# Altium PCB P22296-1-DES-1.2.PcbDoc (part 3 of 5)
Units mm, origin at the board's own origin, x right, y up, seen from the top; angles counter-clockwise.
Board outline 77.01 x 108 mm, 6 copper layers (Top Layer, Layer 1, Layer 2, Layer 3, Layer 4, Bottom Layer), stack 1.821 mm thick; 445 components, 260 nets, 1371 pads, 965 vias.
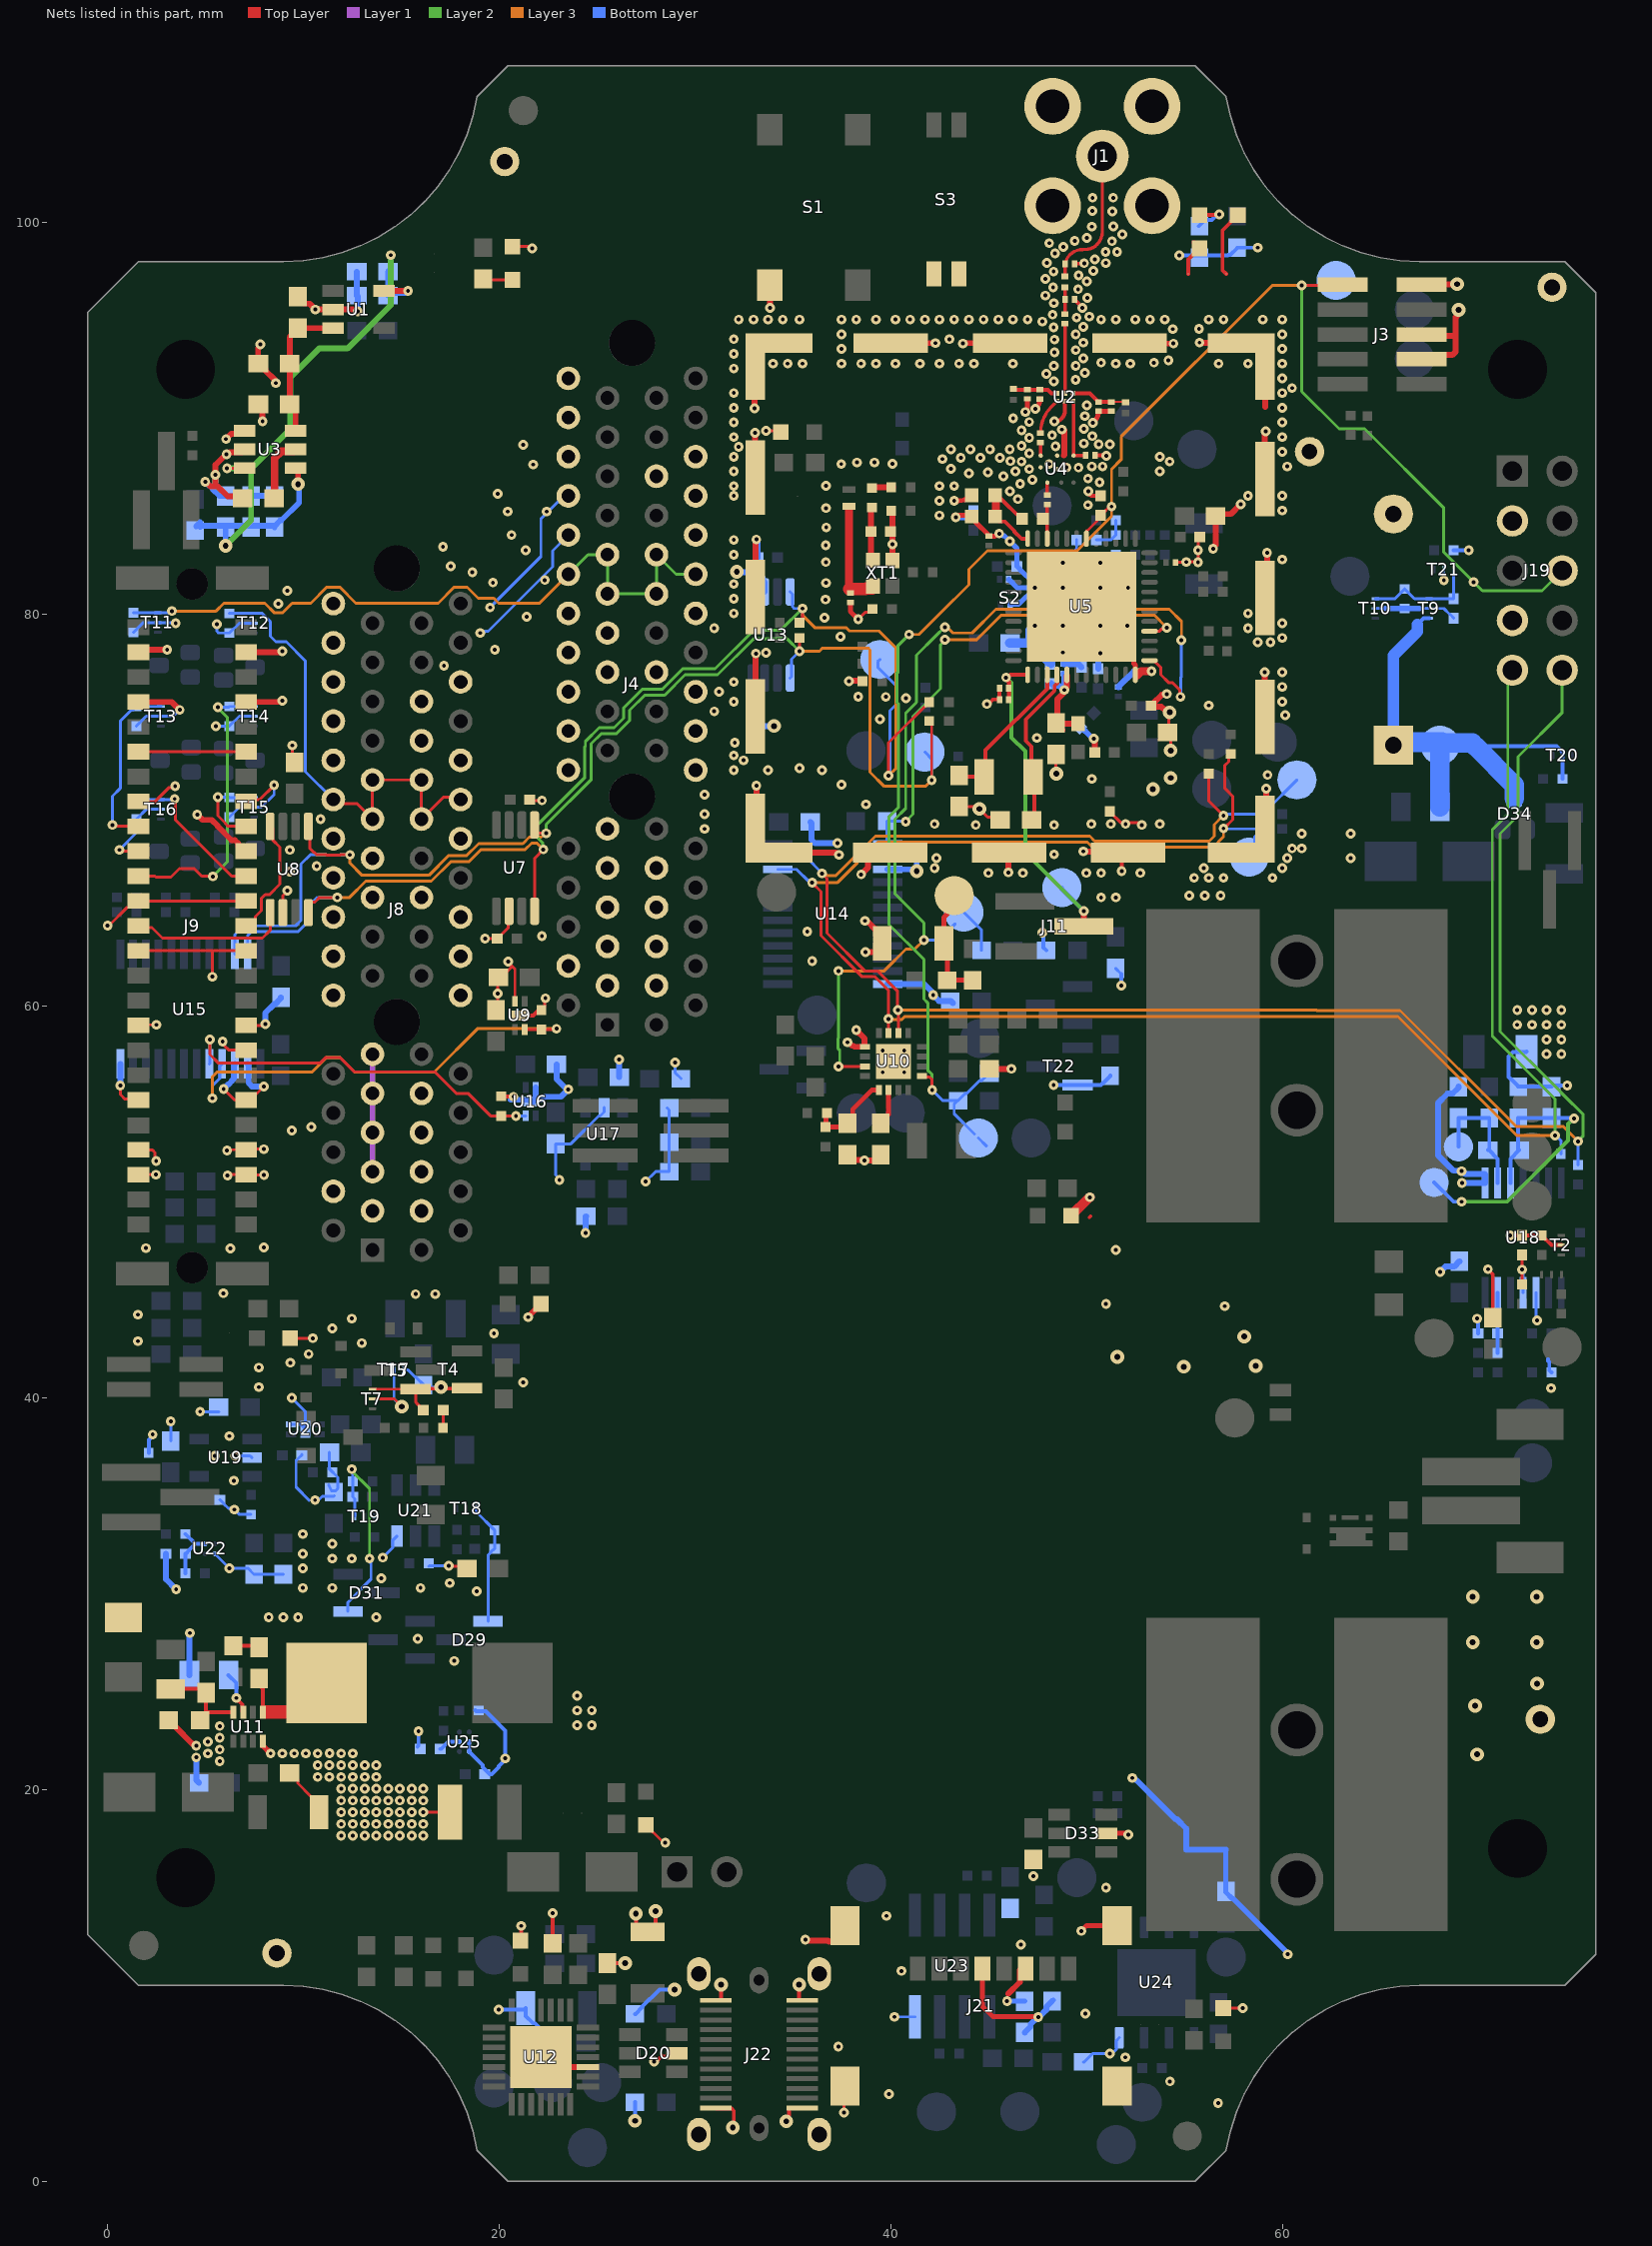
[diagram p7: the nets of this part, all layers, seen from the top]

## Via types
v1: diameter 0.5, hole 0.2, Top Layer to Bottom Layer, tented both sides, 876 vias
v2: diameter 0.7/0.7/0.7/0.7/0.7/0.7 (per signal layer), hole 0.3, Top Layer to Bottom Layer, tented bottom, 83 vias
v3: diameter 0.5, hole 0.2, Top Layer to Bottom Layer, 4 vias
v4: diameter 1, hole 0.5, Top Layer to Bottom Layer, tented bottom, 2 vias

## Nets (pads, with @x,y where several pads share a name; then routed paths per layer and width w, separated by ;. In a path a pad name is that pad's centre, name@x,y a point inside that pad or via, vN(x,y) a via of type N, cw(c..) or ccw(c..) an arc to the next point about the centre after c; other vN are vias at no path point) (continued)
GND: C1.1 C2.1 C4.1 C5.1 C6.1 C7.1 C8.1 C9.1 C10.1 C12.1 C13.- C15.1 C16.1 C17.1 C19.1 C20.1 C21.1 C22.1 C23.1 C24.1 C25.1 C26.1 C27.1 C28.1 C29.1 C30.1 C31.1 C32.1 C33.1 C34.1 C35.1 C36.1 C37.1 C38.1 C39.1 C40.1 C41.1 C42.1 C43.1 C44.1 C45.1 C46.1 C47.1 C50.1 C51.1 C52.1 C53.1 C54.1 C55.1 C56.1 C57.1 C58.1 C59.1 C60.1 C61.1 C62.1 C63.1 C64.1 C66.1 C67.1 C68.1 C69.1 C70.1 C71.1 C72.1 C73.1 C74.1 C75.1 C76.1 C77.1 C78.1 C79.1 C80.1 C81.1 C82.1 C83.1 C85.1 C86.1 C87.1 C88.1 C89.1 C90.1 C91.1 C93.1 C95.1 C96.1 C97.1 C98.1 C99.1 C100.1 C101.1 C102.1 C103.2 C104.1 D1.C D4.C D5.C D6.C D9.C D14.C D16.C D19.C D20.2 D33.2 H1.0 H4.0 H7.0 H8.0 H9.0 J1.2 J1.3 J1.4 J1.5 J3.3 J3.5 J3.9 J4.A3 J4.A4 J4.A5 J4.A7 J4.A9 J4.A11 J4.A12 J4.A14 J4.A16 J4.A17 J4.A18 J4.A19 J4.A20 J4.A24 J4.A26 J4.A28 J4.A30 J4.A32 J4.B3 J4.B5 J4.B7 J4.B9 J4.B12 J4.B14 J4.B16 J4.B17 J4.B20 J4.B24 J4.B26 J4.B27 J4.B28 J8.A3 J8.A4 J8.A5 J8.A7 J8.A9 J8.A11 J8.A12 J8.A14 J8.A16 J8.A17 J8.A18 J8.A19 J8.A20 J8.A24 J8.A26 J8.A28 J8.A30 J8.A32 J8.B3 J8.B5 J8.B7 J8.B9 J8.B12 J8.B14 J8.B16 J8.B17 J8.B20 J8.B24 J8.B25 J8.B27 J8.B28 J9.A3 J9.A4 J9.A6 J9.A9 J9.A12 J9.A14 J9.A16 J9.A18 J9.A20 J9.A22 J9.A24 J9.B3 J9.B4 J9.B6 J9.B8 J9.B9 J9.B12 J9.B14 J9.B16 J9.B18 J9.B20 J9.B22 J9.B24 J19.3 J19.7 J21.6 J21.SHLD J22.A1 J22.A12 J22.B1 J22.B12 J22.S R6.2 R9.1 R19.1 R22.1 R27.1 R28.1 R32.1 R38.1 R41.1 R43.1 R49.1 R50.1 R57.1 R59.1 R60.1 R63.1 R64.1 R68.1 R69.1 R79.1 R81.1 R82.1 R85.1 R86.1 R89.1 R90.1 R93.1 R100.1 R105.1 R107.1 R108.1 R110.1 R111.1 R113.1 R115.1 R124.1 R130.1 R131.1 R143.1 R153.1 R154.1 S1.COM1 S2.1 S3.1 S3.2 T2.S T7.S T11.S T12.S T13.S T14.S T15.S T16.S T17.S T21.S T22.S U1.2 U2.2 U3.1 U3.2 U4.B1 U4.B2 U4.C2 U5.48 U5.49 U7.2 U8.2 U9.2 U9.5 U10.9 U10.17 U11.4 U12.3 U12.EP U13.2 U14.2 U14.3 U14.12 U15.2 U15.3 U15.12 U16.2 U16.5 U17.2 U18.3 U18.8 U19.2 U20.2 U20.5 U21.3 U22.B1 U23.4 U24.4 U25.A2 U25.B2 XT1.2 | length 411.6
  Top Layer w0.15: v1(0.014,64.109) 0.083,64.109 1.01,65.036 1.263,65.036 J9.A14@1.588,65.361 J9.B14@7.088,65.361 6.238,65.361 ; v1(0.613,67.968) 0.707,67.968 0.774,67.901 J9.A16@1.588,67.901 ; v1(0.66,55.94) 0.664,55.935 0.664,55.476 0.9,55.24 1.549,55.24 J9.A6@1.588,55.201 ; J9.A3@1.563,51.366 J9.A3@1.588,51.391 v1(2.488,51.391) ; J9.A4@1.588,52.661 1.608,52.641 2.313,52.641 2.426,52.528 2.426,52.159 v1(2.493,52.092) ; J9.A9@1.588,59.011 1.618,59.041 v1(2.513,59.041) ; J9.A12@1.588,62.821 5.327,62.821 ; J9.A18@1.588,70.441 2.446,70.441 3.157,71.153 3.396,71.153 v1(3.463,71.22) ; J9.A20@1.588,72.981 J9.B20@7.088,72.981 ; v1(5.363,61.491) 5.363,62.785 5.327,62.821 ; v1(5.888,58.191) 5.955,58.124 5.955,57.999 6.213,57.741 J9.B8@7.088,57.741 ; v1(5.938,55.766) 6.503,55.201 J9.B6@7.088,55.201 7.305,55.201 v1(7.995,55.891) ; v1(6.113,52.616) 6.158,52.661 J9.B4@7.088,52.661 7.118,52.691 v1(7.988,52.691) ; v1(6.138,51.341) 6.188,51.391 J9.B3@7.088,51.391 7.113,51.366 v1(8,51.366) ; J9.B9@7.088,59.011 7.999,59.011 v1(8.062,59.074) ; J9.B12@7.088,62.821 5.327,62.821 ; J9.B18@7.088,70.441 7.175,70.528 7.775,70.528 v1(8.513,71.266) ; U8.2@8.963,64.766 8.963,65.628 9.188,65.853 v1(9.188,65.891) ; C50.1@9.299,20.841 9.349,20.841 9.724,20.466 9.724,20.32 10.403,19.641 10.413,19.641 10.762,19.292 C52.1@10.762,18.841 ; D9.C@9.338,43.041 v1(10.488,43.041) ; v1(9.452,73.302) 9.452,72.552 C33.1@9.563,72.441 ; T7.S@13.538,39.941 14.644,39.941 v2(15.038,39.548) ; v1(16.137,18.842) C51.1@17.488,18.841 ; R38.1@17.142,38.466 C46.1@17.142,39.366 ; v1(17.434,31.426) 17.469,31.391 18.263,31.391 C47.1@18.363,31.291 ; v1(19.283,63.441) C39.1@19.913,63.441 19.933,63.441 20.118,63.626 20.118,63.646 20.475,64.004 20.475,64.804 U7.2@20.513,64.841 ; C41.1@19.938,60.066 v1(19.938,60.641) 19.938,61.341 20.388,61.791 20.438,61.791 20.674,62.028 ; v1(20.463,62.266) 20.463,62.24 20.674,62.028 ; D1.C@20.689,98.769 21.494,98.769 21.594,98.669 v1(21.689,98.669) ; U9.2@20.813,60.241 20.813,61.89 20.674,62.028 ; C36.1@21.563,70.541 21.613,70.491 v1(22.193,70.491) ; R22.1@22.013,59.791 R22.1@22.163,59.791 22.338,59.966 22.338,60.364 v1(22.368,60.395) ; D14.C@27.488,18.191 28.321,17.358 28.421,17.358 v1(28.488,17.291) ; v1(33.638,89.366) 34.313,89.366 D4.C@34.388,89.291 ; v1(37.617,3.509) 37.617,4.816 J21.SHLD@37.661,4.859 ; v1(38.338,79.741) 38.701,80.104 38.906,80.104 R131.1@39.063,80.261 ; C34.1@43.486,70.18 44.407,70.18 v2(44.525,70.063) 44.95,69.637 45.577,69.637 C37.1@45.623,69.591 ; C30.1@48.438,72.841 48.438,71.874 v2(48.452,71.86) ; 50.125,49.192 50.225,49.292 ; C35.1@51.189,69.933 51.189,69.913 51.752,69.35 51.929,69.35 v1(51.988,69.291) 52.047,69.35 52.609,69.35 52.718,69.241 v1(52.813,69.241) ; v2@54.189,74.942 54.189,74.008 C31.1@54.139,73.958 54.288,73.809 v2(54.288,73.041) ; C24.1@54.528,82.641 54.54,82.653 55.075,82.653 v1(55.088,82.666) ; v1@55.039,82.683 55.051,82.671 55.676,82.671 v1(55.689,82.658) v1(55.689,83.258) 55.689,83.859 C22.1@55.771,83.941 ; D19.C@56.975,8.848 v1(57.967,8.848)
  Top Layer w0.2: R28.1@20.113,55.391 20.125,55.378 20.725,55.378 v1(20.738,55.366) ; U9.5@21.063,59.516 21.738,59.516 R22.1@22.013,59.791 ; D16.C@21.138,12.241 v1(21.138,13.041) v1@21.23,13.041 ; R43.1@22.738,12.141 v1(22.738,13.691) ; C54.1@25.538,11.141 v2(26.438,11.141) v2@26.488,11.191 ; v2(26.988,13.666) 26.988,13.116 27.363,12.741 C53.1@27.588,12.741 27.613,12.741 27.988,13.116 v2(27.988,13.791) ; v1(27.911,6.116) 28.02,6.116 28.278,6.375 28.921,6.375 D20.2@29.088,6.541 ; J22.A1@31.073,3.741 31.098,3.716 31.87,3.716 31.988,3.599 31.988,2.791 v2(31.938,2.741) ; v2(31.338,10.041) 31.327,10.031 31.327,9.266 J22.A12@31.352,9.241 ; v2(34.663,3.066) 34.663,3.201 34.806,3.345 34.806,3.716 34.831,3.741 J22.B12@35.473,3.741 ; J22.B1@35.323,9.241 J22.B1@35.473,9.241 ; J22.B1@35.323,9.266 35.323,9.291 v2(35.323,10.041) ; v1(44.913,75.416) 44.994,75.416 45.225,75.647 45.556,75.647 C28.1@45.561,75.652 ; C28.1@45.548,75.641 C27.1@45.548,76.216 ; v1(48.353,89.843) ccw(c48.353,90.383) 48.893,90.383 U2.2@48.893,90.882 ; C1.1@49.373,97.876 49.394,97.897 49.852,97.897 v1(49.873,97.918) ; C2.1@49.375,96.063 49.375,96.028 49.415,95.988 49.441,95.988 v1(49.788,95.641) ; v1(50.087,86.275) ccw(c50.32,86.275) 50.32,86.041 C17.1@50.713,86.041 ; C12.1@50.431,88.12 50.983,88.12 v1(51.013,88.091) ; v1(51.786,66.881) 51.786,67.497 S2.1@52.12,67.831 ; v1(70.488,46.566) 70.488,46.541 70.738,46.291 C45.1@70.738,44.091 ; v1(71.628,48.291) C44.1@72.238,48.291 R32.1@73.238,48.291 73.738,47.791 T2.S@74.238,47.791
  Top Layer w0.25: C25.1@37.938,80.601 37.938,80.141 v1(38.338,79.741) ; v1@43.238,85.041 43.987,85.041 cw(c43.987,84.843) C20.1@44.128,84.983 ; v1(43.238,85.791) 43.468,85.791 ccw(c43.468,86.732) C15.1@44.133,86.067 ; C20.1@44.148,84.873 44.237,84.873 44.353,84.758 44.353,84.669 44.963,84.059 44.963,83.996 44.978,83.981 C23.1@45.013,83.981 45.212,83.981 ccw(c45.212,84.442) v1(45.538,84.116) ; v1(46.875,90.323) ccw(c46.646,90.552) 46.97,90.552 C6.1@46.97,90.994 ; v1(47.388,90.491) 47.436,90.54 ccw(c46.991,90.985) C7.1@47.621,90.985 ; 48.868,89.182 ccw(c48.808,89.242) 48.893,89.242 v1@48.893,89.382 ; v1(50.313,89.766) 50.406,89.86 ccw(c49.909,90.357) C9.1@50.612,90.357 C10.1@51.269,90.357 ; v1(50.701,79.421) 52.414,77.708 52.414,77.471 52.489,77.396 U5.48@52.489,76.908 ; D33.2@51.004,17.766 51.998,17.766 52.061,17.703 v1(52.128,17.703)
  Top Layer w0.254: v1(49.723,12.781) 50,13.059 J21.SHLD@51.551,13.059
  Top Layer w0.3: J9.A22@1.588,75.521 3.289,75.521 v1(3.694,75.116) ; J9.A24@1.588,78.061 1.706,78.179 v1(3.055,78.179) ; R41.1@3.138,23.541 3.163,23.541 3.463,23.241 3.463,23.216 4.337,22.342 4.383,22.342 4.483,22.242 v1(4.537,22.242) ; v1(4.588,69.766) 4.6,69.766 4.863,69.503 5.327,69.503 5.649,69.18 5.649,69.156 6.334,68.471 6.512,68.471 6.688,68.295 6.688,68.151 6.938,67.901 J9.B16@7.088,67.901 ; v1@4.967,86.791 v1(4.997,86.761) 5.028,86.761 5.273,86.516 5.638,86.516 ; v1(6.06,88.941) 6.335,89.216 6.863,89.216 U3.1@7.013,89.366 ; C16.1@6.963,85.916 C16.1@6.913,85.916 6.813,86.015 6.138,86.015 5.638,86.516 ; U3.2@7.013,88.416 6.863,88.266 6.242,88.266 6.142,88.166 v1(6.088,88.166) 6.06,88.166 5.513,87.619 v1(5.513,87.116) 5.513,86.641 5.638,86.516 ; J9.B22@7.088,75.521 8.813,75.521 8.883,75.591 v1(8.938,75.591) ; J9.B24@7.088,78.061 8.828,78.061 8.883,78.116 v1(8.938,78.116) ; C8.1@7.713,90.716 7.923,90.506 7.923,89.85 v1(7.928,89.845) ; v1(7.817,93.775) 7.817,93.721 7.698,93.603 7.698,92.806 C5.1@7.713,92.791 7.763,92.791 8.063,92.491 8.063,92.441 8.558,91.945 8.558,91.837 v1(8.596,91.798) ; U11.4@7.938,22.461 7.938,22.241 v1(8.337,21.842) ; C4.1@10.025,95.853 10.326,95.853 v1(10.626,95.553) U1.2@11.526,95.553 12.639,95.553 12.727,95.465 v1(12.781,95.465) ; v1(21.487,44.117) 21.487,44.14 D6.C@22.138,44.791 ; U12.EP@22.138,6.341 22.638,5.841 U12.3@24.538,5.841 ; v1(33.038,90.516) 33.038,92.582 S2.1@33.091,92.636 ; v1(33.063,89.266) 33.063,87 S2.1@33.091,86.972 ; S2.1@33.091,69.136 33.138,69.183 v1(33.138,71.254) ; S2.1@33.091,74.778 33.091,77.97 v1(33.113,77.991) ; S2.1@33.091,80.875 33.091,83.716 33.138,83.762 v1(33.138,83.816) ; S1.COM1@33.813,96.791 33.838,96.766 v1(33.838,95.641) ; S2.1@34.296,67.831 37.193,67.831 37.308,67.716 v1(37.363,67.716) ; S2.1@34.296,93.841 S2.1@34.396,93.941 ; v1(35.638,12.341) 35.692,12.341 35.751,12.282 36.797,12.282 36.838,12.241 ; C42.1@37.788,52.416 38.071,52.132 38.631,52.132 v1(38.65,52.114) 38.656,52.12 39.192,52.12 C43.1@39.488,52.416 ; v1(37.788,58.145) 37.842,58.145 38.021,57.966 38.098,57.966 38.148,57.916 U10.9@38.688,57.916 38.663,57.94 38.663,58.34 v1(38.238,58.766) ; v1(37.87,76.574) 37.894,76.598 38.536,76.598 R19.1@38.559,76.574 ; v1(38.488,66.716) 38.828,67.057 38.828,67.481 39.178,67.831 S2.1@39.967,67.831 ; v1@38.65,62.749 v1(38.708,62.749) 39.238,62.749 39.563,63.074 C38.1@39.563,63.191 39.563,63.591 39.238,63.916 39.213,63.916 38.821,64.308 38.726,64.308 v1(38.688,64.347) ; S2.1@39.988,93.841 v1(42.288,93.841) ; R9.1@40.059,85.179 ccw(c39.926,85.179) R9.1@40.02,85.274 40.088,85.206 v1(40.088,83.566) XT1.2@40.088,82.741 XT1.2@40.088,82.707 ; v1(43.688,93.816) 43.713,93.841 S2.1@46.085,93.841 ; R27.1@45.038,56.791 v1(46.164,56.791) ; 45.99,9.569 46.595,10.173 46.595,10.773 J21.6@46.68,10.859 ; v1(46.013,66.816) 46.013,67.8 S2.1@46.044,67.831 ; 48.835,88.097 48.873,88.134 cw(c49.293,88.194) 48.868,88.194 48.868,89.182 ; v1(49.838,67.891) 49.848,67.881 S2.1@50.67,67.881 ; v1(50.363,73.641) cw(c50.242,73.52) 50.413,73.52 C32.1@50.413,72.941 ; S2.1@50.37,68.181 S2.1@50.67,67.881 ; S2.1@52.12,67.831 S2.1@50.763,67.831 ; S2.1@52.182,93.841 52.207,93.816 v1(54.432,93.816) ; v1(54.096,75.926) 54.058,75.888 53.844,75.888 53.419,75.463 53.419,75.443 53.309,75.333 C29.1@53.289,75.333 53.341,75.281 53.813,75.281 53.905,75.189 53.931,75.189 54.129,74.991 v2(54.238,74.991) v2@54.189,74.942 ; v1(55.763,93.866) 55.776,93.853 57.884,93.853 S2.1@57.896,93.841 ; v1(56.457,83.344) 56.457,83.399 56.589,83.53 C19.1@56.589,85.008 56.697,85.117 57.363,85.117 v1(57.863,85.616) ; v1(59.088,77.041) 59.101,77.027 S2.1@59.101,74.757 ; S2.1@59.101,69.036 59.163,69.097 v1(59.163,71.091) ; S2.1@59.101,80.833 59.213,80.945 v1(59.213,83.141) ; S2.1@59.101,86.91 59.101,89.305 v1(59.138,89.341) ; S2.1@59.101,92.636 59.113,92.625 59.113,90.581 ; J3.3@67.113,93.012 67.333,93.232 68.669,93.232 68.845,93.408 68.845,94.216 ; J3.5@67.113,94.282 67.179,94.216 68.845,94.216 ; J3.9@67.113,96.822 67.125,96.834 68.899,96.834 v2(68.911,96.847) v2@69.019,96.847 ; S2.1@50.67,67.881 50.713,67.881 S2.1@50.763,67.831 ; S2.1@50.67,67.881 50.72,67.831 S2.1@50.763,67.831 ; 68.845,94.216 68.845,95.165 68.911,95.231 v2@68.911,95.389 ; v2@68.911,95.389 68.988,95.465 v2(68.988,95.541) 68.911,95.464 v2@68.911,95.389
  Top Layer w0.4: U5.48@52.564,76.858 52.789,77.083 v1(53.314,77.083)
  Top Layer w0.5: D5.C@49.205,49.292 50.147,50.234 v1(50.164,50.234)
  Layer 1 w0.3: J8.A5@13.538,51.541 J8.A7@13.538,53.541 J8.A9@13.538,55.541 J8.A11@13.538,57.541
  Bottom Layer w0.15: v1(0.613,67.968) 1.488,68.843 R69.1@1.488,69.541 1.988,70.041 T16.S@2.738,70.041 ; R59.1@1.33,79.07 1.83,79.57 T11.S@2.58,79.57 3.459,79.57 v1(3.488,79.541) ; R64.1@1.488,74.291 1.988,74.791 T13.S@2.738,74.791 3.369,74.791 v1(3.694,75.116) ; C89.1@3.238,37.791 v1(3.238,38.791) ; v1(4.738,39.291) C88.1@5.688,39.291 ; U22.B1@5.488,32.041 v1(6.238,31.291) 7.188,31.291 R111.1@7.488,30.991 R110.1@8.988,30.991 ; v1(5.537,74.291) R63.1@6.238,74.291 6.738,74.791 T14.S@7.488,74.791 ; v1(5.588,79.491) 5.597,79.481 5.597,79.129 5.685,79.041 R60.1@6.238,79.041 6.738,79.541 T12.S@7.488,79.541 ; C93.1@5.738,34.791 5.758,34.791 5.943,34.606 5.943,34.586 6.177,34.352 6.427,34.352 v1(6.488,34.291) 6.5,34.291 6.75,34.041 R108.1@7.338,34.041 ; R68.1@6.238,69.645 6.738,70.145 T15.S@7.488,70.145 7.866,70.145 8.513,70.792 v1(8.513,71.266) ; v1(6.538,37.041) 7.288,37.041 U19.2@7.388,36.941 ; U20.2@9.384,38.641 9.859,38.641 U20.5@10.109,38.391 10.109,39.295 v1(9.413,39.991) ; C91.1@9.938,37.116 9.938,37.086 9.733,36.881 9.725,36.881 9.638,36.793 9.638,35.439 10.319,34.757 ; v1(10.607,34.777) 10.674,34.844 10.854,34.844 10.975,34.966 11.563,34.966 R107.1@11.588,34.991 ; R107.1@11.298,35.554 11.447,35.241 11.638,35.241 11.764,35.368 11.764,35.935 11.342,36.358 C90.1@11.342,37.216 ; v1(14.063,31.841) 14.563,32.341 14.563,32.716 U21.3@14.788,32.941 ; T17.S@14.638,41.441 14.638,39.942 15.032,39.548 v2(15.038,39.548) ; R113.1@16.413,31.401 16.438,31.426 v1(17.434,31.426) ; v1(19.038,79.041) 19.105,79.108 19.281,79.108 19.3,79.127 19.448,79.127 22.738,82.417 22.738,83.241 J4.A24@23.538,84.041 ; v1(19.538,80.341) 21.836,82.64 21.836,82.644 22.138,82.945 22.138,83.587 22.136,83.588 22.136,84.865 23.313,86.041 J4.A26@23.538,86.041 ; v1(23.084,51.112) 23.084,51.179 22.888,51.375 C83.1@22.888,52.966 23.665,52.966 25.081,54.383 25.163,54.383 25.363,54.583 U17.2@25.363,54.808 ; v1(27.488,51.041) 27.988,51.541 R93.1@28.688,51.541 R90.1@28.688,53.041 28.688,54.691 R89.1@28.588,54.791 ; v1(28.983,57.114) 28.983,56.596 R85.1@29.288,56.291 ; v1(40.188,8.398) U23.4@41.228,8.398 ; v1(48.776,82.633) 49.488,83.344 C61.1@49.488,83.791 ; C102.1@49.838,6.098 49.888,6.098 50.308,6.518 v1(51.181,6.518) 51.248,6.585 51.351,6.585 51.523,6.757 51.523,7.187 U24.4@51.668,7.332 ; v1(50.701,82.633) 51.08,82.633 R57.1@51.488,83.041 ; C74.1@51.482,61.924 C74.1@51.771,61.636 ; v1(68.238,81.738) T21.S@68.238,82.283 ; U18.3@72.938,45.366 72.938,44.005 v1(72.996,43.947)
  Bottom Layer w0.2: R6.2@2.113,37.191 2.113,37.857 2.313,38.057 v1(2.313,38.124) ; C72.1@15.838,22.184 15.888,22.234 v1(15.888,22.984) ; U25.A2@18.473,21.942 U25.B2@18.473,22.442 ; U25.A2@18.485,21.93 19.173,21.242 19.173,21.141 19.523,20.791 19.623,20.791 19.973,21.141 19.973,21.191 20.313,21.53 v1(20.313,21.591) 20.313,23.012 19.329,23.995 18.819,23.995 R143.1@18.774,24.041 ; v1(19.988,8.766) 21.288,8.766 C99.1@21.363,8.841 21.363,8.441 21.738,8.066 21.855,8.066 22.438,7.483 22.438,7.441 22.638,7.241 C101.1@22.838,7.241 ; v2(26.938,3.091) R130.1@26.938,4.041 ; R124.1@26.938,8.541 26.963,8.541 27.313,8.891 27.313,8.916 28.188,9.791 v2(28.963,9.791) ; v1(47.738,63.741) 47.793,63.686 47.793,62.986 R79.1@47.938,62.841 ; v1(48.313,55.966) T22.S@49.538,55.966 50.725,55.966 50.825,56.066 50.85,56.066 51.2,56.416 R154.1@51.2,56.441 ; v1(51.771,61.041) C74.1@51.771,61.636 ; v1(54.735,98.313) 57.213,98.313 57.234,98.335 57.33,98.335 57.68,98.685 R49.1@57.68,98.71 v1(58.738,98.71) ; R153.1@68.738,83.258 v1(69.513,83.258) ; v1(69.938,44.041) 69.988,44.041 C87.1@69.988,43.291 ; R82.1@72.463,57.666 72.45,57.654 71.775,57.654 71.538,57.416 71.538,56.381 71.638,56.281 71.663,56.281 72.038,55.906 R86.1@72.038,55.881 C81.1@73.738,55.881 73.803,55.947 v1(74.538,55.947) ; 73.563,41.966 73.563,41.885 73.621,41.826 73.621,41.407 R100.1@73.738,41.291
  Bottom Layer w0.25: v1(45.538,84.116) 45.605,84.116 45.722,83.999 45.804,83.999 v1(46.088,83.716) 46.436,83.367 C63.1@46.436,82.438 46.456,82.438 46.591,82.303 46.591,82.283 47.316,81.558 47.316,81.393 v1(47.364,81.346) ; C64.1@46.029,81.783 46.029,81.748 46.044,81.733 46.079,81.733 46.466,81.346 v1(47.364,81.346) ; C66.1@46.084,80.497 46.516,80.497 v1(47.364,81.346)
  Bottom Layer w0.254: v1(45.938,9.198) C100.1@46.838,9.198 ; 57.113,16.932 C97.1@57.113,14.807 57.113,14.757 57.436,14.434 57.486,14.434 60.216,11.704 60.216,11.636 v1(60.263,11.588)
  Bottom Layer w0.3: v1(0.66,55.94) 0.661,55.941 U15.12@0.663,57.041 U15.12@0.663,57.041 ; C95.1@2.988,32.041 2.988,30.741 v1(3.513,30.216) ; C96.1@4.188,25.841 4.188,27.966 v1(4.213,27.991) ; v1@4.538,21.666 4.538,20.491 R115.1@4.688,20.341 ; v1(4.997,86.761) 5.172,86.586 5.212,86.586 5.388,86.41 5.388,86.37 5.717,86.041 C59.1@6.038,86.041 ; v1(5.513,87.116) 5.513,86.566 C59.1@6.038,86.041 ; v1(5.938,55.766) 6.163,55.991 6.187,55.991 6.363,56.167 6.363,56.191 6.463,56.291 6.463,56.991 U15.3@6.513,57.041 ; U15.2@7.163,57.041 7.213,56.991 7.213,56.067 7.388,55.891 v1(7.995,55.891) ; v1(8.062,59.074) 8.062,59.64 8.513,60.091 8.563,60.091 8.863,60.391 C78.1@8.863,60.441 ; C57.1@8.538,86.041 C58.1@7.338,86.041 C59.1@6.038,86.041 ; C56.1@12.738,97.481 C55.1@12.738,96.265 12.781,96.222 v1(12.781,95.465) ; v1@20.586,55.215 21.514,55.215 U16.5@21.613,55.116 21.763,55.116 U16.5@21.863,55.216 ; U16.2@21.863,55.841 U16.5@21.863,55.216 ; C79.1@22.938,57.016 22.938,56.265 23.418,55.784 23.499,55.784 v1(23.538,55.746) 23.158,55.366 22.313,55.366 22.163,55.216 U16.5@21.863,55.216 ; v1(24.413,48.416) 24.413,49.241 C85.1@24.438,49.266 ; C80.1@26.138,56.366 v1(26.138,57.266) ; v2(32.138,82.166) 32.163,82.141 33.196,82.141 33.438,81.899 33.438,81.867 33.488,81.817 33.488,81.691 33.563,81.616 U13.2@33.563,81.141 ; C75.1@33.138,74.291 v2(34.041,74.291) v2@34.041,74.387 ; v1(33.138,83.816) 33.138,83.762 33.213,83.687 C62.1@33.213,82.891 ; C77.1@35.888,69.391 35.95,69.329 35.95,68.488 36.126,68.312 v1(37.274,68.312) v1@37.259,68.298 ; U14.12@39.838,61.124 41.702,61.124 42.126,60.701 42.126,60.591 v1(42.164,60.553) 42.457,60.26 43.062,60.26 R81.1@43.181,60.141 ; U14.3@39.838,66.974 41.122,66.974 41.215,66.881 v2(41.324,66.881) ; U14.2@39.838,67.624 39.888,67.574 41.134,67.574 41.324,67.384 v2(41.324,66.881) ; v2@41.416,66.881 v2(41.324,66.881) ; v1(43.316,84.941) 43.884,84.941 43.941,84.998 43.961,84.998 44.071,85.108 C60.1@44.071,85.128 ; v1(48.776,78.045) 48.776,77.991 48.839,77.928 C70.1@48.839,77.448 49.574,77.448 49.609,77.413 49.629,77.413 49.739,77.303 C69.1@49.739,77.283 ; C76.1@49.6,74.34 49.613,74.34 50.313,73.641 v1(50.363,73.641) ; C71.1@50.589,77.208 50.597,77.216 50.597,77.85 50.701,77.954 v1(50.701,78.008) ; C73.1@51.613,76.281 51.628,76.281 51.638,76.291 51.638,76.306 52.415,77.083 v1(53.314,77.083) ; v1(52.337,20.591) 52.392,20.591 52.492,20.491 52.538,20.491 54.547,18.482 54.612,18.482 55.088,18.006 55.088,16.932 57.113,16.932 ; v1(68.042,46.427) 68.045,46.427 68.318,46.699 68.771,46.699 C86.1@69.038,46.966 ; C82.1@68.988,55.881 68.988,55.831 68.688,55.531 68.428,55.531 67.938,55.041 67.938,52.379 68.728,51.589 69.115,51.589 v1(69.137,51.567) ; v1@69.118,51.567 v1(69.137,51.567) ; v1(69.163,50.966) U18.8@70.338,50.966 70.338,51.39 70.313,51.415 69.343,51.415 69.192,51.567 v1(69.137,51.567)
  Bottom Layer w0.5: C67.1@46.089,78.533 47.12,78.533 ; v1(47.364,79.421) 47.12,79.177 47.12,78.533 ; C68.1@48.163,77.491 47.12,78.533
  other v1: 56.711,3.995 39.9,4.457 54.255,5.103 51.977,6.329 37.323,6.873 49.937,8.56 40.543,10.74 46.645,12.086 39.776,13.552 50.988,14.998 47.281,15.582 11.937,17.642 12.537,17.642 13.137,17.642 13.737,17.642 14.337,17.642 14.937,17.642 15.537,17.642 16.137,17.642 11.937,18.242 12.537,18.242 13.137,18.242 13.737,18.242 14.337,18.242 14.937,18.242 15.537,18.242 16.137,18.242 11.937,18.842 12.537,18.842 13.137,18.842 13.737,18.842 14.337,18.842 14.937,18.842 15.537,18.842 11.937,19.442 12.537,19.442 13.137,19.442 13.737,19.442 14.337,19.442 14.937,19.442 15.537,19.442 16.137,19.442 11.937,20.042 12.538,20.041 13.137,20.042 13.737,20.042 14.337,20.042 14.937,20.042 15.537,20.042 16.137,20.042 10.737,20.642 11.337,20.642 11.937,20.642 12.538,20.641 13.137,20.642 13.737,20.642 10.737,21.242 11.337,21.242 11.937,21.242 12.537,21.242 13.137,21.242 13.737,21.242 5.737,21.442 4.537,21.642 5.137,21.842 8.937,21.842 9.537,21.842 10.137,21.842 10.737,21.842 11.937,21.842 12.537,21.842 11.345,21.852 5.737,22.042 5.137,22.442 5.737,22.642 5.737,23.242 23.988,23.291 24.738,23.291 23.988,24.041 24.738,24.041 23.988,24.791 17.704,26.566 15.851,27.691 8.238,28.791 8.988,28.791 9.738,28.791 13.738,28.791 18.867,30.121 9.988,30.291 11.488,30.291 15.988,30.291 17.488,30.541 13.988,30.791 9.988,31.291 11.488,31.791 12.488,31.791 9.988,32.041 11.488,32.541 9.988,33.041 6.463,35.767 5.488,37.041 6.238,38.041 73.712,40.493 7.738,40.541 21.238,40.791 7.738,41.541 9.338,41.791 10.278,42.231 12.988,42.791 1.565,42.891 19.738,43.291 11.488,43.541 12.488,44.041 1.565,44.241 57.059,44.678 50.988,44.791 15.738,45.291 16.738,45.291 5.921,45.336 51.488,47.541 6.282,47.622 1.963,47.64 7.998,47.678 9.413,53.641 10.413,53.816 73.488,57.541 74.238,57.541 73.488,58.291 74.238,58.291 71.988,59.041 72.738,59.041 73.488,59.041 74.238,59.041 71.988,59.791 72.738,59.791 73.488,59.791 74.238,59.791 35.988,62.291 22.188,63.566 35.738,63.791 50.738,65.541 51.488,65.541 55.238,65.641 56.038,65.641 56.838,65.641 55.488,66.541 56.238,66.541 56.988,66.541 59.488,66.541 44.988,66.791 46.738,66.791 49.988,66.791 50.738,66.791 52.738,66.791 9.313,66.866 42.238,67.041 55.988,67.041 59.988,67.041 10.688,67.141 42.338,67.541 60.238,67.541 63.488,67.541 48.338,67.741 9.313,67.966 60.488,68.041 60.988,68.041 60.988,68.791 63.488,68.791 30.488,69.041 44.338,69.241 48.338,69.241 42.238,69.291 50.238,69.291 51.238,69.291 53.738,69.291 10.888,69.541 30.488,69.791 38.738,70.291 30.488,70.791 37.488,71.291 50.263,71.591 59.238,71.791 31.988,72.041 33.738,72.041 36.488,72.041 35.338,72.141 32.488,72.541 31.988,72.791 32.038,73.441 47.464,73.683 39.444,74.643 60.138,74.841 30.988,75.041 56.238,75.341 31.988,75.541 59.988,75.541 40.78,75.706 38.338,75.795 39.747,75.78 31.238,76.041 59.988,76.291 31.988,76.541 59.988,77.041 17.188,77.366 33.638,78.041 19.788,78.191 58.738,78.566 59.388,78.566 59.988,78.791 37.433,78.845 30.988,79.291 58.238,79.291 48.776,79.421 52.077,79.421 59.988,79.541 36.623,79.817 21.413,79.866 31.988,80.041 58.238,80.041 8.738,80.541 36.667,80.747 31.988,80.791 9.188,81.191 48.776,81.346 50.701,81.346 52.114,81.346 31.988,81.541 36.688,81.598 19.688,81.616 22.338,81.741 18.638,82.141 17.538,82.441 36.683,82.66 59.988,82.791 31.988,83.041 21.363,83.266 17.138,83.441 36.681,83.526 31.988,83.791 20.638,84.041 36.705,84.429 42.488,85.041 20.438,85.241 22.438,85.241 59.988,85.291 36.692,85.417 50.072,85.574 42.488,85.791 46.488,85.874 31.988,86.041 58.238,86.041 59.988,86.041 19.938,86.141 46.088,86.275 31.988,86.541 36.696,86.548 42.488,86.541 43.238,86.541 46.605,86.655 50.663,86.741 47.232,86.865 50.072,86.924 45.757,87.045 43.987,87.192 44.963,87.246 31.988,87.291 46.361,87.289 53.738,87.291 43.071,87.419 47.066,87.411 48.963,87.491 49.587,87.483 50.263,87.541 50.813,87.541 60.238,87.541 21.738,87.641 37.47,87.666 40.088,87.681 48.088,87.666 38.27,87.745 39.165,87.744 46.677,87.794 54.238,87.791 46.107,87.813 42.632,87.919 43.571,87.98 44.571,87.98 45.571,87.98 31.988,88.041 53.738,88.041 47.066,88.211 59.988,88.291 43.071,88.419 44.071,88.419 45.071,88.419 46.071,88.419 32.238,88.541 48.413,88.566 46.677,88.594 21.238,88.641 50.613,88.666 51.188,88.666 49.863,88.716 47.066,89.011 31.988,89.041 59.988,89.041 50.288,89.091 48.238,89.141 46.677,89.394 48.742,89.426 49.863,89.466 31.988,89.791 59.988,89.791 47.066,89.811 46.248,89.994 49.913,90.116 31.988,90.541 59.988,90.541 50.013,90.666 31.988,91.291 59.988,91.291 60.488,91.541 48.334,91.882 49.438,91.966 59.988,92.041 47.945,92.265 49.913,92.316 31.988,92.541 48.334,92.682 49.439,92.682 33.988,92.791 34.738,92.791 35.488,92.791 37.488,92.791 38.488,92.791 39.238,92.791 40.238,92.791 41.488,92.791 42.488,92.791 43.488,92.791 44.238,92.791 46.238,92.791 51.488,92.791 52.238,92.791 56.738,92.791 58.238,92.791 59.988,92.791 50.738,92.841 53.438,92.841 54.177,92.958 49.828,93.065 31.988,93.291 48.363,93.366 49.439,93.482 37.488,93.541 59.988,93.541 49.828,93.865 48.363,94.016 31.988,94.041 42.988,94.041 49.439,94.282 37.488,94.291 59.988,94.291 54.4,94.552 55.739,94.568 48.313,94.641 49.828,94.665 47.738,94.941 32.238,95.041 32.988,95.041 33.738,95.041 34.488,95.041 35.338,95.041 37.488,95.041 38.238,95.041 39.238,95.041 40.238,95.041 40.988,95.041 41.738,95.041 42.488,95.041 43.238,95.041 43.988,95.041 44.738,95.041 45.488,95.041 46.238,95.041 46.988,95.041 50.738,95.041 51.488,95.041 52.488,95.041 53.238,95.041 53.988,95.041 56.238,95.041 56.988,95.041 58.988,95.041 59.988,95.041 49.488,95.141 50.138,95.191 48.263,95.291 48.334,95.882 50.038,96.141 47.888,96.266 49.563,96.591 48.288,96.691 50.013,96.991 47.888,97.116 49.588,97.291 48.313,97.491 50.34,97.519 47.963,97.941 50.985,97.925 50.421,98.12 48.388,98.416 50.966,98.488 51.555,98.498 48.816,98.755 48.088,98.941 51.295,99.039 49.389,99.063 50.012,99.204 51.822,99.392 50.261,99.786 51.358,99.793 51.318,100.563 50.286,100.594 50.304,101.261 51.353,101.261